# Altium PCB DRS4-PCB.PcbDoc (part 2 of 15) (continued)
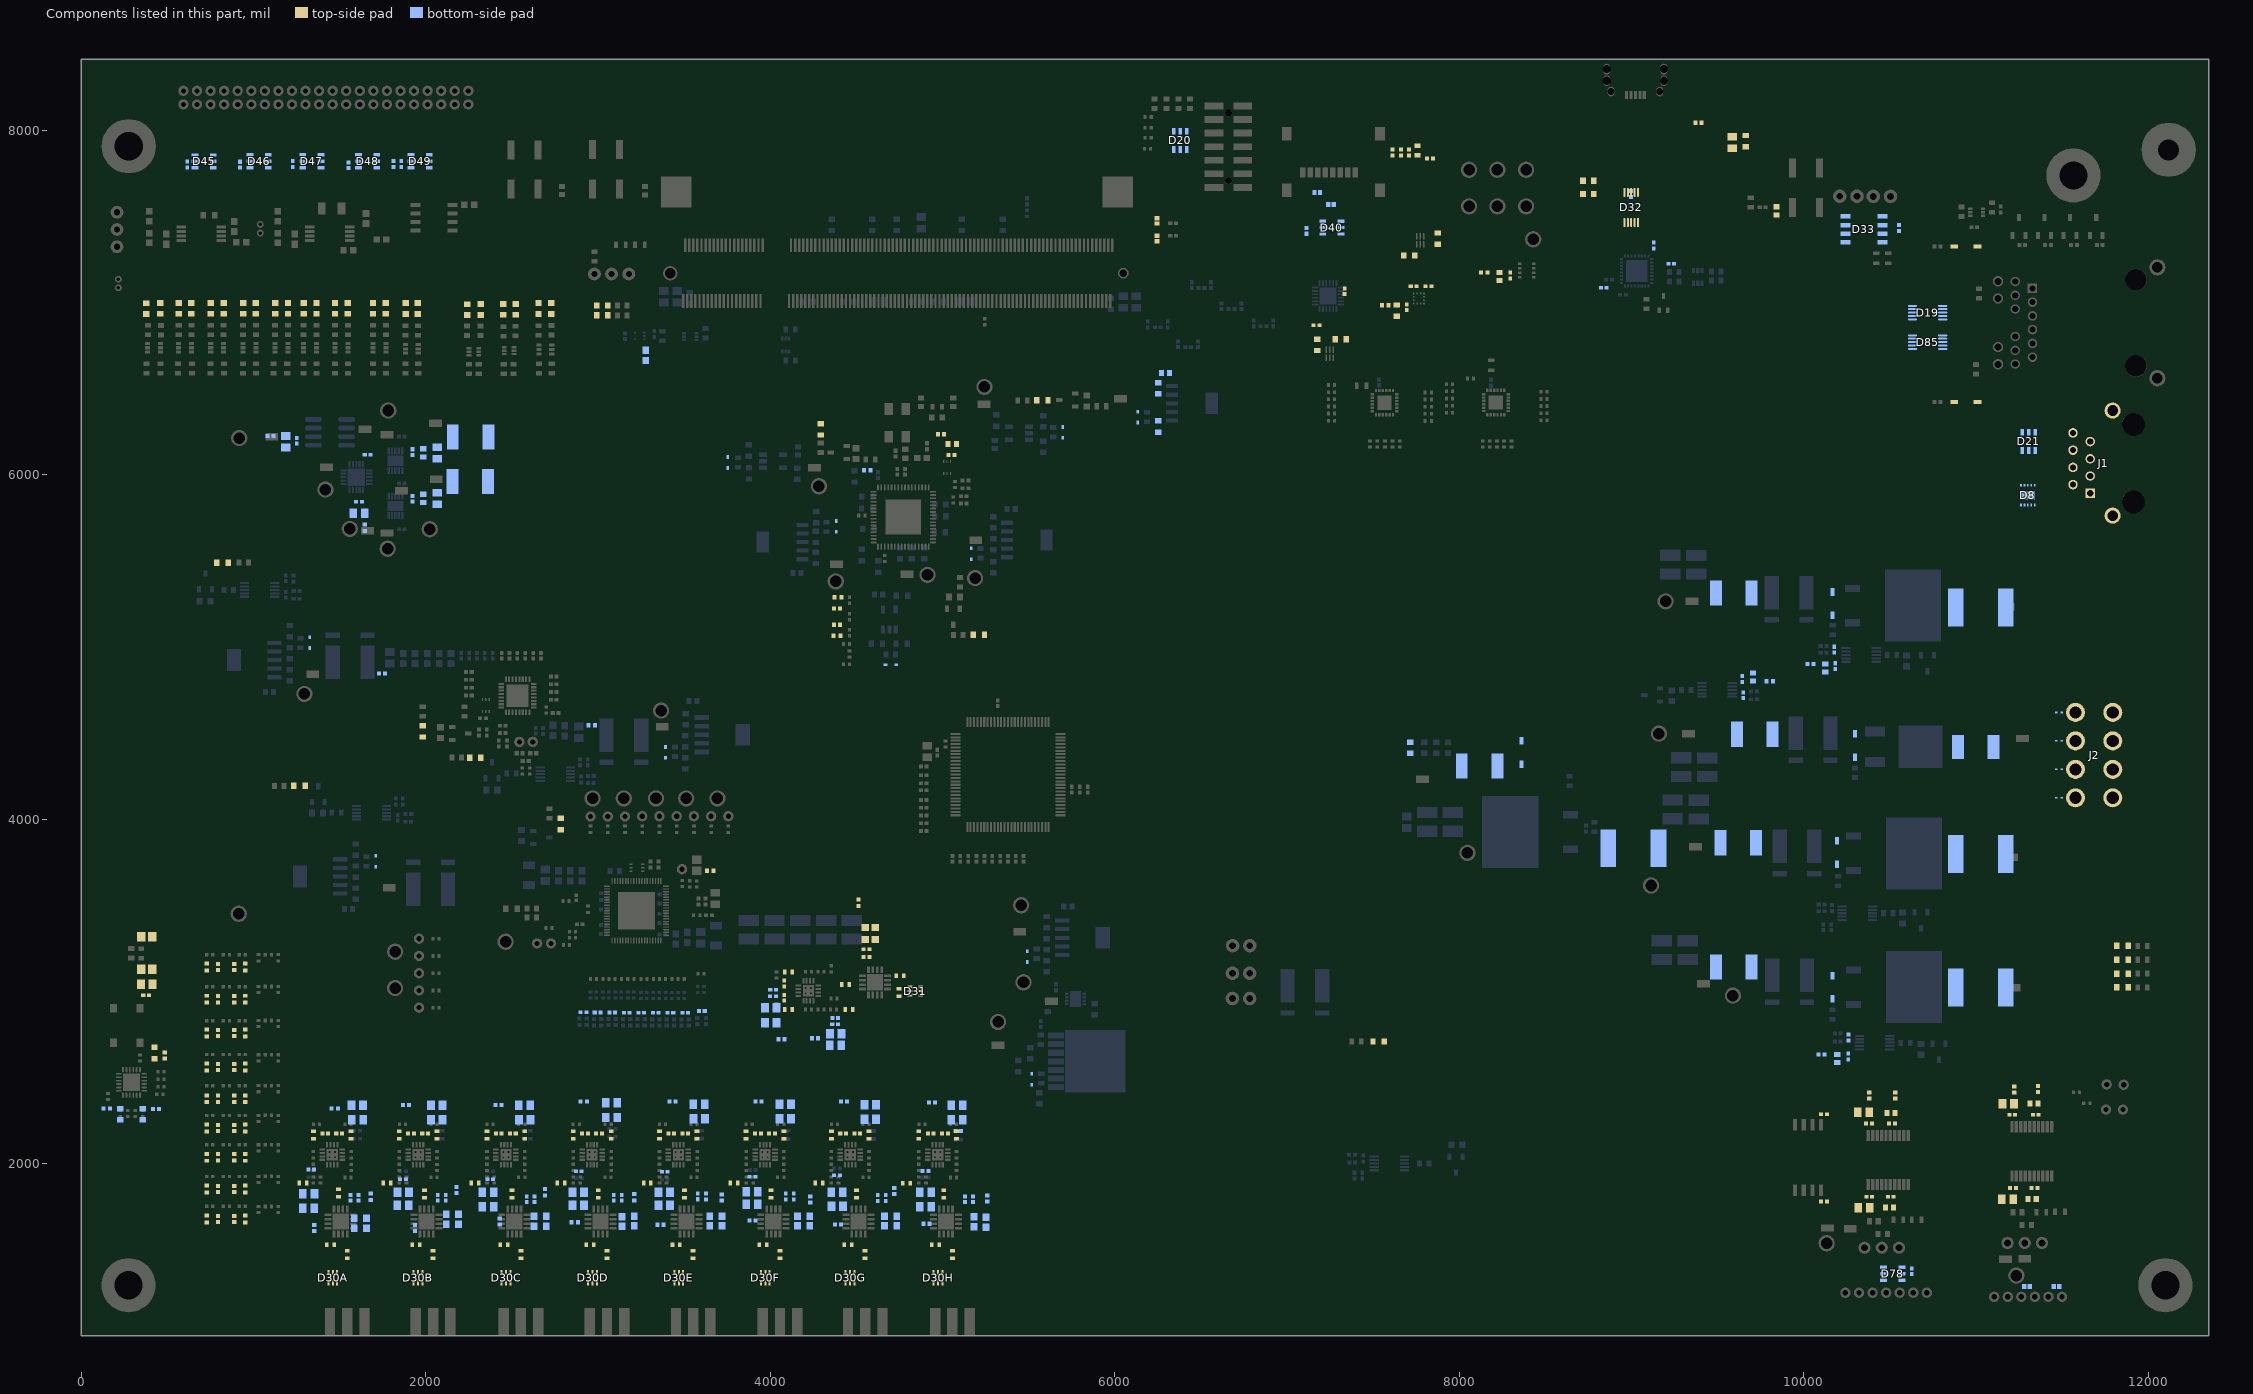
[diagram p12: the components of this part, seen from the top]
## Components (designator, comment, footprint, x,y, rotation, side; value= is the part's Value field where it differs from the comment) (continued)
C232 "Cap_TDK_C1608X5R1A106M080AC_220nF" Cap_TDK_C1608X5R1A106M080AC_220nF 4455.08,2894.77 r180 top
C233 "Cap_TDK_C1608X5R1A106M080AC_220nF" Cap_TDK_C1608X5R1A106M080AC_220nF 4752.25,3091.14 r0 top
C234 "Cap_TDK_C1608X5R1A106M080AC_220nF" Cap_TDK_C1608X5R1A106M080AC_220nF 4745.8,2992.71 r270 top
C235 "Cap_TDK_C1608X5R1A106M080AC_220nF" Cap_TDK_C1608X5R1A106M080AC_220nF 4434.76,3040.78 r0 top
C236 "Cap_TDK_C1608X5R1A106M080AC_220nF" Cap_TDK_C1608X5R1A106M080AC_220nF 4104.88,2894.75 r0 top
C237 "Cap_TDK_C1608X5R1A106M080AC_220nF" Cap_TDK_C1608X5R1A106M080AC_220nF 4104.88,3113.85 r0 top
C239 "Cap_Taiyo_Yuden_TMK105B7104KV-FR_100nF" Cap_Taiyo_Yuden_TMK105B7104KV-FR_100nF#2 3602.03,2886.03 r0 bottom
C240 "Cap_Taiyo_Yuden_TMK105B7104KV-FR_100nF" Cap_Taiyo_Yuden_TMK105B7104KV-FR_100nF#2 4557.53,3199.97 r180 top
C241 "Cap_Wurth_Electronics_885012206075_470nF" Cap_Wurth_Electronics_885012206075_470nF 4579.59,3302.34 r0 top
C242 "Cap_Taiyo_Yuden_TMK105B7104KV-FR_100nF" Cap_Taiyo_Yuden_TMK105B7104KV-FR_100nF#2 4557.82,3245.25 r180 top
C243 "Cap_Wurth_Electronics_885012206075_470nF" Cap_Wurth_Electronics_885012206075_470nF 4579.59,3371.23 r0 top
C245 "Cap_TDK_CGA2B2C0G2A151J050BE_150pF" Cap_TDK_CGA2B2C0G2A151J050BE_150pF 4391.54,5288.38 r0 top
C246 "Cap_Murata_GCM1555C1H271FA16D_270pF" Cap_Murata_GCM1555C1H271FA16D_270pF 4386.29,5223.53 r0 top
C247 "Cap_Murata_GCM1555C1H271FA16D_270pF" Cap_Murata_GCM1555C1H271FA16D_270pF 4386.29,5129.13 r0 top
C248 "Cap_TDK_CGA2B2C0G2A151J050BE_150pF" Cap_TDK_CGA2B2C0G2A151J050BE_150pF 4386.29,5064.64 r0 top
C249 "Cap_Taiyo_Yuden_TMK105B7104KV-FR_100nF" Cap_Taiyo_Yuden_TMK105B7104KV-FR_100nF#2 8837.71,7085.84 r0 bottom
C250 "Cap_Taiyo_Yuden_TMK105B7104KV-FR_100nF" Cap_Taiyo_Yuden_TMK105B7104KV-FR_100nF#2 8996.78,7629.62 r90 bottom
C251 "Cap_Taiyo_Yuden_TMK105B7104KV-FR_100nF" Cap_Taiyo_Yuden_TMK105B7104KV-FR_100nF#2 9127.53,7330.88 r270 bottom
C252 "Cap_Taiyo_Yuden_TMK105B7104KV-FR_100nF" Cap_Taiyo_Yuden_TMK105B7104KV-FR_100nF#2 10551.56,7432.5 r90 bottom
C253 "Cap_Kemet_C0603C103J5RACTU_eec" Kemet_C0603_0 9841.12,7531.76 r270 top value=10nF
C254 "Cap_Murata_ GRM21BC71E106ME11L_10uF" "Cap_Murata_ GRM21BC71E106ME11L_10uF" 9583.17,7928.1 r270 top
C255 "Cap_Murata_ZRB18AR6YA475ME05L_4.7uF" Cap_Murata_ZRB18AR6YA475ME05L_4.7uF 9662.08,7936.76 r90 top
C256 "Cap_Taiyo_Yuden_TMK105B7104KV-FR_100nF" Cap_Taiyo_Yuden_TMK105B7104KV-FR_100nF#2 9230.26,7225.04 r180 bottom
C257 "Cap_Taiyo_Yuden_TMK105B7104KV-FR_100nF" Cap_Taiyo_Yuden_TMK105B7104KV-FR_100nF#2 10259.31,2732.5 r270 bottom
C258 "Cap_Taiyo_Yuden_TMK105B7104KV-FR_100nF" Cap_Taiyo_Yuden_TMK105B7104KV-FR_100nF#2 10175.89,4984.45 r270 bottom
C259 "Cap_Taiyo_Yuden_TMK105B7104KV-FR_100nF" Cap_Taiyo_Yuden_TMK105B7104KV-FR_100nF#2 9647.54,4719.49 r90 bottom
C260 "Cap_Taiyo_Yuden_TMK105B7104KV-FR_100nF" Cap_Taiyo_Yuden_TMK105B7104KV-FR_100nF#2 10257.67,2622.22 r90 bottom
C261 "Cap_Kemet_C0603C103J5RACTU_eec" Kemet_C0603_0 10193.62,2611.22 r270 bottom value=10nF
C262 "Cap_Taiyo_Yuden_TMK105B7104KV-FR_100nF" Cap_Taiyo_Yuden_TMK105B7104KV-FR_100nF#2 9641.64,4813.57 r270 bottom
C263 "Cap_Taiyo_Yuden_TMK105B7104KV-FR_100nF" Cap_Taiyo_Yuden_TMK105B7104KV-FR_100nF#2 10182.28,4888.68 r90 bottom
C264 "Cap_Kemet_C0603C103J5RACTU_eec" Kemet_C0603_0 10123.92,4877.85 r270 bottom value=10nF
C265 "Cap_Kemet_C0603C103J5RACTU_eec" Kemet_C0603_0 9703.6,4824.82 r90 bottom value=10nF
C266 "Cap_Murata_GCJ188R71E105KA01J_1uF" Cap_Murata_GCJ188R71E105KA01J_1uF 7637.33,6952.86 r90 top
C267 "Cap_Taiyo_Yuden_TMK105B7104KV-FR_100nF" Cap_Taiyo_Yuden_TMK105B7104KV-FR_100nF#2 7694.42,6971.76 r270 top
C268 "Cap_Taiyo_Yuden_TMK105B7104KV-FR_100nF" Cap_Taiyo_Yuden_TMK105B7104KV-FR_100nF#2 7821.05,7093.82 r0 top
C269 "Cap_Kemet_C0603C103J5RACTU_eec" Kemet_C0603_0 8232.7,7149.93 r270 top value=10nF
C270 "Cap_Taiyo_Yuden_TMK105B7104KV-FR_100nF" Cap_Taiyo_Yuden_TMK105B7104KV-FR_100nF#2 8295.7,7156.62 r270 top
C271 "Cap_Taiyo_Yuden_TMK105B7104KV-FR_100nF" Cap_Taiyo_Yuden_TMK105B7104KV-FR_100nF#2 5051.24,6114.85 r180 top
C272 "Cap_Kemet_C0603C103J5RACTU_eec" Kemet_C0603_0 5055.7,6178.05 r0 top value=10nF
C273 "Cap_Taiyo_Yuden_TMK105B7104KV-FR_100nF" Cap_Taiyo_Yuden_TMK105B7104KV-FR_100nF#2 7734.43,7093.81 r0 top
C274 "Cap_Taiyo_Yuden_TMK105B7104KV-FR_100nF" Cap_Taiyo_Yuden_TMK105B7104KV-FR_100nF#2 7169.82,6867 r180 top
C275 "Cap_Taiyo_Yuden_TMK105B7104KV-FR_100nF" Cap_Taiyo_Yuden_TMK105B7104KV-FR_100nF#2 7333.57,7064.62 r270 top
C276 "Cap_Taiyo_Yuden_TMK105B7104KV-FR_100nF" Cap_Taiyo_Yuden_TMK105B7104KV-FR_100nF#2 7112.13,7415.67 r90 bottom
C277 "Cap_Murata_GCJ188R71E105KA01J_1uF" Cap_Murata_GCJ188R71E105KA01J_1uF 7873.06,7370.55 r270 top
C282 "Cap_Taiyo_Yuden_TMK105B7104KV-FR_100nF" Cap_Taiyo_Yuden_TMK105B7104KV-FR_100nF#2 7706.71,7870.84 r270 top
C283 "Cap_Taiyo_Yuden_TMK105B7104KV-FR_100nF" Cap_Taiyo_Yuden_TMK105B7104KV-FR_100nF#2 7661.42,7870.84 r270 top
C284 "Cap_Taiyo_Yuden_TMK105B7104KV-FR_100nF" Cap_Taiyo_Yuden_TMK105B7104KV-FR_100nF#2 7611.43,7870.84 r270 top
C285 "4.7nF 10V 0603" CAPC0603(1608)100_L 7755.93,7881.47 r90 top value=4.7nF
C286 "Cap_Murata_GCJ188R71E105KA01J_1uF" Cap_Murata_GCJ188R71E105KA01J_1uF 356.95,2287.28 r270 bottom
C287 "Cap_Murata_GCJ188R71E105KA01J_1uF" Cap_Murata_GCJ188R71E105KA01J_1uF 224.39,2287.28 r270 bottom
C288 "Cap_Murata_GCJ188R71E105KA01J_1uF" Cap_Murata_GCJ188R71E105KA01J_1uF 424.34,2642.75 r90 top
C289 "Cap_Murata_ GRM21BC71E106ME11L_10uF" "Cap_Murata_ GRM21BC71E106ME11L_10uF" 380.1,3042.17 r180 top
C290 "Cap_Taiyo_Yuden_TMK105B7104KV-FR_100nF" Cap_Taiyo_Yuden_TMK105B7104KV-FR_100nF#2 376.05,2977.2 r0 top
C291 "Cap_Murata_GRT21BR61E226ME13L_22uF" Cap_Murata_GRT21BR61E226ME13L_22uF 379.53,3129.13 r180 top
C292 "Cap_Murata_GRT21BR61E226ME13L_22uF" Cap_Murata_GRT21BR61E226ME13L_22uF 380.1,3316.66 r180 top
C293 "Cap_TDK_CGA2B2C0G2A151J050BE_150pF" Cap_TDK_CGA2B2C0G2A151J050BE_150pF 727.93,1679.37 r90 top
C294 "Cap_Murata_GCM1555C1H271FA16D_270pF" Cap_Murata_GCM1555C1H271FA16D_270pF 792.86,1679.37 r90 top
C295 "Cap_Murata_GCM1555C1H271FA16D_270pF" Cap_Murata_GCM1555C1H271FA16D_270pF 887.26,1679.37 r90 top
C296 "Cap_TDK_CGA2B2C0G2A151J050BE_150pF" Cap_TDK_CGA2B2C0G2A151J050BE_150pF 951.75,1679.37 r90 top
C297 "Cap_TDK_CGA2B2C0G2A151J050BE_150pF" Cap_TDK_CGA2B2C0G2A151J050BE_150pF 728.01,2561.27 r90 top
C298 "Cap_Murata_GCM1555C1H271FA16D_270pF" Cap_Murata_GCM1555C1H271FA16D_270pF 792.85,2561.27 r90 top
C299 "Cap_Murata_GCM1555C1H271FA16D_270pF" Cap_Murata_GCM1555C1H271FA16D_270pF 887.26,2561.27 r90 top
C300 "Cap_TDK_CGA2B2C0G2A151J050BE_150pF" Cap_TDK_CGA2B2C0G2A151J050BE_150pF 951.75,2561.27 r90 top
C301 "Cap_TDK_CGA2B2C0G2A151J050BE_150pF" Cap_TDK_CGA2B2C0G2A151J050BE_150pF 728.01,1852.61 r90 top
C302 "Cap_Murata_GCM1555C1H271FA16D_270pF" Cap_Murata_GCM1555C1H271FA16D_270pF 792.85,1852.61 r90 top
C303 "Cap_Murata_GCM1555C1H271FA16D_270pF" Cap_Murata_GCM1555C1H271FA16D_270pF 887.26,1852.61 r90 top
C304 "Cap_TDK_CGA2B2C0G2A151J050BE_150pF" Cap_TDK_CGA2B2C0G2A151J050BE_150pF 951.75,1852.61 r90 top
C305 "Cap_TDK_CGA2B2C0G2A151J050BE_150pF" Cap_TDK_CGA2B2C0G2A151J050BE_150pF 728.01,2758.12 r90 top
C306 "Cap_Murata_GCM1555C1H271FA16D_270pF" Cap_Murata_GCM1555C1H271FA16D_270pF 792.85,2758.12 r90 top
C307 "Cap_Murata_GCM1555C1H271FA16D_270pF" Cap_Murata_GCM1555C1H271FA16D_270pF 887.26,2758.12 r90 top
C308 "Cap_TDK_CGA2B2C0G2A151J050BE_150pF" Cap_TDK_CGA2B2C0G2A151J050BE_150pF 951.75,2758.12 r90 top
C309 "Cap_TDK_CGA2B2C0G2A151J050BE_150pF" Cap_TDK_CGA2B2C0G2A151J050BE_150pF 728.01,2037.14 r90 top
C310 "Cap_Murata_GCM1555C1H271FA16D_270pF" Cap_Murata_GCM1555C1H271FA16D_270pF 792.85,2037.14 r90 top
C311 "Cap_Murata_GCM1555C1H271FA16D_270pF" Cap_Murata_GCM1555C1H271FA16D_270pF 887.26,2037.14 r90 top
C312 "Cap_TDK_CGA2B2C0G2A151J050BE_150pF" Cap_TDK_CGA2B2C0G2A151J050BE_150pF 951.75,2037.14 r90 top
C313 "Cap_TDK_CGA2B2C0G2A151J050BE_150pF" Cap_TDK_CGA2B2C0G2A151J050BE_150pF 728.01,2954.98 r90 top
C314 "Cap_Murata_GCM1555C1H271FA16D_270pF" Cap_Murata_GCM1555C1H271FA16D_270pF 792.85,2954.98 r90 top
C315 "Cap_Murata_GCM1555C1H271FA16D_270pF" Cap_Murata_GCM1555C1H271FA16D_270pF 887.26,2954.98 r90 top
C316 "Cap_TDK_CGA2B2C0G2A151J050BE_150pF" Cap_TDK_CGA2B2C0G2A151J050BE_150pF 951.75,2954.98 r90 top
C317 "Cap_TDK_CGA2B2C0G2A151J050BE_150pF" Cap_TDK_CGA2B2C0G2A151J050BE_150pF 727.98,2206.92 r90 top
C318 "Cap_Murata_GCM1555C1H271FA16D_270pF" Cap_Murata_GCM1555C1H271FA16D_270pF 792.85,2206.92 r90 top
C319 "Cap_Murata_GCM1555C1H271FA16D_270pF" Cap_Murata_GCM1555C1H271FA16D_270pF 887.26,2206.92 r90 top
C320 "Cap_TDK_CGA2B2C0G2A151J050BE_150pF" Cap_TDK_CGA2B2C0G2A151J050BE_150pF 951.75,2206.92 r90 top
C321 "Cap_TDK_CGA2B2C0G2A151J050BE_150pF" Cap_TDK_CGA2B2C0G2A151J050BE_150pF 728.01,3141.16 r90 top
C322 "Cap_Murata_GCM1555C1H271FA16D_270pF" Cap_Murata_GCM1555C1H271FA16D_270pF 792.85,3141.16 r90 top
C323 "Cap_Murata_GCM1555C1H271FA16D_270pF" Cap_Murata_GCM1555C1H271FA16D_270pF 887.26,3141.16 r90 top
C324 "Cap_TDK_CGA2B2C0G2A151J050BE_150pF" Cap_TDK_CGA2B2C0G2A151J050BE_150pF 951.75,3141.16 r90 top
C325 "Cap_TDK_CGA2B2C0G2A151J050BE_150pF" Cap_TDK_CGA2B2C0G2A151J050BE_150pF 728.01,2377.14 r90 top
C326 "Cap_Murata_GCM1555C1H271FA16D_270pF" Cap_Murata_GCM1555C1H271FA16D_270pF 792.85,2377.14 r90 top
C327 "Cap_Murata_GCM1555C1H271FA16D_270pF" Cap_Murata_GCM1555C1H271FA16D_270pF 887.26,2377.14 r90 top
C328 "Cap_TDK_CGA2B2C0G2A151J050BE_150pF" Cap_TDK_CGA2B2C0G2A151J050BE_150pF 951.75,2377.14 r90 top
C329 "Cap_Taiyo_Yuden_TMK105B7104KV-FR_100nF" Cap_Taiyo_Yuden_TMK105B7104KV-FR_100nF#2 613.86,7800.44 r90 bottom
C330 "Cap_Taiyo_Yuden_TMK105B7104KV-FR_100nF" Cap_Taiyo_Yuden_TMK105B7104KV-FR_100nF#2 921.07,7799.98 r90 bottom
C331 "Cap_Taiyo_Yuden_TMK105B7104KV-FR_100nF" Cap_Taiyo_Yuden_TMK105B7104KV-FR_100nF#2 1226.73,7803.66 r90 bottom
C332 "Cap_Taiyo_Yuden_TMK105B7104KV-FR_100nF" Cap_Taiyo_Yuden_TMK105B7104KV-FR_100nF#2 1550.36,7796.79 r90 bottom
C333 "Cap_Taiyo_Yuden_TMK105B7104KV-FR_100nF" Cap_Taiyo_Yuden_TMK105B7104KV-FR_100nF#2 1857.68,7803.27 r90 bottom
C334 "Cap_Taiyo_Yuden_TMK105B7104KV-FR_100nF" Cap_Taiyo_Yuden_TMK105B7104KV-FR_100nF#2 1812.38,7803.66 r90 bottom
C335 "Cap_Murata_ GRM21BC71E106ME11L_10uF" "Cap_Murata_ GRM21BC71E106ME11L_10uF" 1611.46,5776.3 r180 bottom
C336 "Cap_Taiyo_Yuden_TMK105B7104KV-FR_100nF" Cap_Taiyo_Yuden_TMK105B7104KV-FR_100nF#2 1611.58,5843.47 r0 bottom
C337 "Cap_Murata_ GRM21BC71E106ME11L_10uF" "Cap_Murata_ GRM21BC71E106ME11L_10uF" 1186.45,6190.61 r270 bottom
C338 "Cap_Taiyo_Yuden_TMK105B7104KV-FR_100nF" Cap_Taiyo_Yuden_TMK105B7104KV-FR_100nF#2 1250.38,6197.15 r90 bottom
C339 "Cap_Taiyo_Yuden_TMK105B7104KV-FR_100nF" Cap_Taiyo_Yuden_TMK105B7104KV-FR_100nF#2 1661.94,6116.55 r180 bottom
C340 "Cap_Murata_ GRM21BC71E106ME11L_10uF" "Cap_Murata_ GRM21BC71E106ME11L_10uF" 2067.29,5861.81 r270 bottom
C341 "Cap_Kemet_C0603C103J5RACTU_eec" Kemet_C0603_0 1984.61,5862.77 r270 bottom value=10nF
C342 "Cap_Taiyo_Yuden_TMK105B7104KV-FR_100nF" Cap_Taiyo_Yuden_TMK105B7104KV-FR_100nF#2 1921.61,5859.93 r90 bottom
C343 "Cap_Murata_ GRM21BC71E106ME11L_10uF" "Cap_Murata_ GRM21BC71E106ME11L_10uF" 2067.29,6126.21 r270 bottom
C344 "Cap_Kemet_C0603C103J5RACTU_eec" Kemet_C0603_0 1984.61,6127.09 r270 bottom value=10nF
C345 "Cap_Taiyo_Yuden_TMK105B7104KV-FR_100nF" Cap_Taiyo_Yuden_TMK105B7104KV-FR_100nF#2 1921.61,6130.87 r90 bottom
C346 "Cap_Taiyo_Yuden_TMK105B7104KV-FR_100nF" Cap_Taiyo_Yuden_TMK105B7104KV-FR_100nF#2 10116.87,2287.24 r180 top
C347 "Cap_Taiyo_Yuden_TMK105B7104KV-FR_100nF" Cap_Taiyo_Yuden_TMK105B7104KV-FR_100nF#2 10626.74,1376.07 r270 bottom
C348 "Cap_Taiyo_Yuden_TMK105B7104KV-FR_100nF" Cap_Taiyo_Yuden_TMK105B7104KV-FR_100nF#2 10116.77,1781.14 r0 top
C349 "Cap_Murata_ GRM21BC71E106ME11L_10uF" "Cap_Murata_ GRM21BC71E106ME11L_10uF" 10348.54,1743.03 r180 top
C350 "Cap_Taiyo_Yuden_TMK105B7104KV-FR_100nF" Cap_Taiyo_Yuden_TMK105B7104KV-FR_100nF#2 10378.07,2233.98 r0 top
C351 "Cap_Murata_ GRM21BC71E106ME11L_10uF" "Cap_Murata_ GRM21BC71E106ME11L_10uF" 10345.79,2298.95 r180 top
C352 "Cap_Taiyo_Yuden_TMK105B7104KV-FR_100nF" Cap_Taiyo_Yuden_TMK105B7104KV-FR_100nF#2 10379.06,1807.99 r0 top
C353 "Cap_Taiyo_Yuden_TMK105B7104KV-FR_100nF" Cap_Taiyo_Yuden_TMK105B7104KV-FR_100nF#2 11209.6,2283.99 r0 top
C354 "Cap_Murata_ GRM21BC71E106ME11L_10uF" "Cap_Murata_ GRM21BC71E106ME11L_10uF" 11186.63,2346.79 r180 top
C355 "Cap_Taiyo_Yuden_TMK105B7104KV-FR_100nF" Cap_Taiyo_Yuden_TMK105B7104KV-FR_100nF#2 11213.9,1858.77 r0 top
C356 "Cap_Murata_ GRM21BC71E106ME11L_10uF" "Cap_Murata_ GRM21BC71E106ME11L_10uF" 11182.01,1793.8 r180 top
C357 "Cap_Taiyo_Yuden_TMK105B7104KV-FR_100nF" Cap_Taiyo_Yuden_TMK105B7104KV-FR_100nF#2 10511.93,2233.15 r0 top
C358 "Cap_Kemet_C0603C103J5RACTU_eec" Kemet_C0603_0 10506.25,2295.47 r180 top value=10nF
C359 "Cap_Taiyo_Yuden_TMK105B7104KV-FR_100nF" Cap_Taiyo_Yuden_TMK105B7104KV-FR_100nF#2 10504.45,1808.77 r0 top
C360 "Cap_Kemet_C0603C103J5RACTU_eec" Kemet_C0603_0 10496.57,1745.39 r180 top value=10nF
C361 "Cap_Taiyo_Yuden_TMK105B7104KV-FR_100nF" Cap_Taiyo_Yuden_TMK105B7104KV-FR_100nF#2 11345.79,2283.99 r0 top
C362 "Cap_Kemet_C0603C103J5RACTU_eec" Kemet_C0603_0 11335.94,2350.12 r180 top value=10nF
C363 "Cap_Taiyo_Yuden_TMK105B7104KV-FR_100nF" Cap_Taiyo_Yuden_TMK105B7104KV-FR_100nF#2 11338.7,1858.77 r0 top
C364 "Cap_Kemet_C0603C103J5RACTU_eec" Kemet_C0603_0 11325.32,1795.77 r180 top value=10nF
C368 "Cap_Murata_ZRB18AR6YA475ME05L_4.7uF" Cap_Murata_ZRB18AR6YA475ME05L_4.7uF 7714.59,4415.06 r270 bottom
C369 "Cap_Murata_ZRB18AR6YA475ME05L_4.7uF" Cap_Murata_ZRB18AR6YA475ME05L_4.7uF 6252.78,6279.58 r90 bottom
C370 "Cap_Murata_ZRB18AR6YA475ME05L_4.7uF" Cap_Murata_ZRB18AR6YA475ME05L_4.7uF 6250.79,6502.11 r270 bottom
C371 "Cap_Kemet_C0603C103J5RACTU_eec" Kemet_C0603_0 6294.37,6591.42 r180 bottom value=10nF
C372 "Cap_Murata_GCJ188R71E105KA01J_1uF" Cap_Murata_GCJ188R71E105KA01J_1uF 7173.84,6753.53 r270 top
C373 "Cap_Murata_GCJ188R71E105KA01J_1uF" Cap_Murata_GCJ188R71E105KA01J_1uF 7709.39,7272.62 r0 top
C374 "Cap_Murata_GCJ188R71E105KA01J_1uF" Cap_Murata_GCJ188R71E105KA01J_1uF 7311.52,6787.12 r180 top
D1 "ESD9B5.0ST5G" ONSC-SOD-923-2-514AB-01_V 11480.64,4123.95 r180 bottom
D2 "ESD9B5.0ST5G" ONSC-SOD-923-2-514AB-01_V 11480.64,4289.31 r180 bottom
D3 "ESD9B5.0ST5G" ONSC-SOD-923-2-514AB-01_V 11480.64,4454.66 r180 bottom
D4 "ESD9B5.0ST5G" ONSC-SOD-923-2-514AB-01_V 11480.64,4620.02 r180 bottom
D5 "Diode_ON_Semiconductor_1N4148WT_300mA" Diode_ON_Semiconductor_1N4148WT_300mA 1709.58,3755.68 r90 bottom
D6 "Diode_ON_Semiconductor_1N4148WT_300mA" Diode_ON_Semiconductor_1N4148WT_300mA 5491.09,3201.96 r270 bottom
D7 "Diode_ON_Semiconductor_1N4148WT_300mA" Diode_ON_Semiconductor_1N4148WT_300mA 5517.17,2490.29 r270 bottom
D8 "ESD_LittleFuse_SP3304NUTG_3V3" ESD_LittleFuse_SP3304NUTG_3V3 11300.09,5880.89 r90 bottom
D9 "Diode_ON_Semiconductor_1N4148WT_300mA" Diode_ON_Semiconductor_1N4148WT_300mA 3390.76,4387.48 r270 bottom
D10 "Diode_ON_Semiconductor_1N4148WT_300mA" Diode_ON_Semiconductor_1N4148WT_300mA 1326.15,5025.07 r90 bottom
D11 "Diode_ON_Semiconductor_1N4148WT_300mA" Diode_ON_Semiconductor_1N4148WT_300mA 4381.83,5699.6 r90 bottom
D12 "Diode_ON_Semiconductor_1N4148WT_300mA" Diode_ON_Semiconductor_1N4148WT_300mA 5166.03,5541.08 r270 bottom
D13 "Diode_ON_Semiconductor_1N4148WT_300mA" Diode_ON_Semiconductor_1N4148WT_300mA 4699.75,4896.38 r180 bottom
D14 "Diode_ON_Semiconductor_1N4148WT_300mA" Diode_ON_Semiconductor_1N4148WT_300mA 3752.7,6070.92 r90 bottom
D15 "Diode_ON_Semiconductor_1N4148WT_300mA" Diode_ON_Semiconductor_1N4148WT_300mA 5696.41,6246.01 r270 bottom
D16 "Led_Lite-On_LTST-C193KGKT-5A_Green" Led_Lite-On_LTST-C193KGKT-5A_Green 3024.29,6982.13 r180 top
D17 "LTST-C193KRKT-5A" Led_Lite-On_LTST-C193KGKT-5A_Red 11849.49,3103.67 r180 top
D18 "Led_Lite-On_LTST-C193KGKT-5A_Green" Led_Lite-On_LTST-C193KGKT-5A_Green 3024.2,6924.49 r180 top
D19 "Diode_SP3003-04ATG_LVDS_ESD" Diode_SP3003-04ATG_LVDS_ESD 10718.19,6941.14 r180 bottom
D20 "PRTR5V0U4D,125" PRTR5V0U4D,125 6378.83,7940.26 r90 bottom
D21 "PRTR5V0U4D,125" PRTR5V0U4D,125 11304.96,6193.77 r90 bottom
D22 "LTST-C193KRKT-5A" Led_Lite-On_LTST-C193KGKT-5A_Red 4292.13,6262.75 r270 top
D23 "LTST-C193KRKT-5A" Led_Lite-On_LTST-C193KGKT-5A_Red 5210.33,5069.96 r180 top
D24 "LTST-C193KRKT-5A" Led_Lite-On_LTST-C193KGKT-5A_Red 1266.38,4193.58 r0 top
D25 "LTST-C193KRKT-5A" Led_Lite-On_LTST-C193KGKT-5A_Red 2783.7,3972.14 r270 top
D26 "LTST-C193KRKT-5A" Led_Lite-On_LTST-C193KGKT-5A_Red 7530.85,2709.43 r0 top
D27 "LTST-C193KRKT-5A" Led_Lite-On_LTST-C193KGKT-5A_Red 819.25,5489.7 r180 top
D28 "LTST-C193KRKT-5A" Led_Lite-On_LTST-C193KGKT-5A_Red 1981.58,4509.52 r270 top
D29 "LTST-C193KRKT-5A" Led_Lite-On_LTST-C193KGKT-5A_Red 2286.48,4357.73 r0 top
D30A "BAV99S" INF-SOT363_V 1459.65,1338.58 r90 top (schematic designator D30)
D30B "BAV99S" INF-SOT363_V 1953.46,1338.58 r90 top (schematic designator D30)
D30C "BAV99S" INF-SOT363_V 2465.43,1338.58 r90 top (schematic designator D30)
D30D "BAV99S" INF-SOT363_V 2967.54,1338.58 r90 top (schematic designator D30)
D30E "BAV99S" INF-SOT363_V 3468.27,1338.58 r90 top (schematic designator D30)
D30F "BAV99S" INF-SOT363_V 3970.52,1338.58 r90 top (schematic designator D30)
D30G "BAV99S" INF-SOT363_V 4462.64,1338.58 r90 top (schematic designator D30)
D30H "BAV99S" INF-SOT363_V 4973.62,1338.58 r90 top (schematic designator D30)
D31 "BAV99S" INF-SOT363_V 4841.34,3001.81 r180 top
D32 "Diode_SP3003-04ATG_LVDS_ESD" Diode_SP3003-04ATG_LVDS_ESD 8997.43,7551.44 r270 top
D33 "ESD_Bourns_ CDNBS08-SRDA05-4_5V" "ESD_Bourns_ CDNBS08-SRDA05-4_5V" 10348.32,7424.23 r180 bottom
D34 "Led_Lite-On_LTST-C193TBKT-5A_Blue" Led_Lite-On_LTST-C193TBKT-5A_Blue 8749,7707.18 r180 top
D35 "Led_Lite-On_LTST-C193TBKT-5A_Blue" Led_Lite-On_LTST-C193TBKT-5A_Blue 8749,7629.53 r180 top
D36 "LTST-C193KRKT-5A" Led_Lite-On_LTST-C193KGKT-5A_Red 11849.49,3023.3 r180 top
D37 "LTST-C193KRKT-5A" Led_Lite-On_LTST-C193KGKT-5A_Red 11849.49,3264.4 r180 top
D38 "LTST-C193KRKT-5A" Led_Lite-On_LTST-C193KGKT-5A_Red 11849.49,3184.03 r180 top
D39 "LTST-C193KRKT-5A" Led_Lite-On_LTST-C193KGKT-5A_Red 5579.15,6431.18 r0 top
D40 "PRTR5V0U4D,125" PRTR5V0U4D,125 7259.29,7435.04 r180 bottom
D41 "5V_ESD_Littlefuse_SP1212-01ETG_30kV" 5V_ESD_Littlefuse_SP1212-01ETG_30kV 7174.68,7638.24 r180 bottom
D42 "5V_ESD_Littlefuse_SP1212-01ETG_30kV" 5V_ESD_Littlefuse_SP1212-01ETG_30kV 7255.28,7568.27 r180 bottom
D43 "5V_ESD_Littlefuse_SP1212-01ETG_30kV" 5V_ESD_Littlefuse_SP1212-01ETG_30kV 6244.01,7370.97 r270 top
D44 "5V_ESD_Littlefuse_SP1212-01ETG_30kV" 5V_ESD_Littlefuse_SP1212-01ETG_30kV 6244.01,7474.01 r90 top
D45 "PRTR5V0U4D,125" PRTR5V0U4D,125 712.66,7818.86 r180 bottom
D46 "PRTR5V0U4D,125" PRTR5V0U4D,125 1031.36,7819.01 r180 bottom
D47 "PRTR5V0U4D,125" PRTR5V0U4D,125 1338.01,7819.12 r180 bottom
D48 "PRTR5V0U4D,125" PRTR5V0U4D,125 1661.55,7818.94 r180 bottom
D49 "PRTR5V0U4D,125" PRTR5V0U4D,125 1966.38,7818.94 r180 bottom
D50 "Led_Lite-On_LTST-C193TBKT-5A_Blue" Led_Lite-On_LTST-C193TBKT-5A_Blue 1199.41,6965.67 r90 top
D51 "Led_Lite-On_LTST-C193TBKT-5A_Blue" Led_Lite-On_LTST-C193TBKT-5A_Blue 1124.61,6965.67 r90 top
D52 "Led_Lite-On_LTST-C193TBKT-5A_Blue" Led_Lite-On_LTST-C193TBKT-5A_Blue 1364.96,6965.67 r90 top
D53 "Led_Lite-On_LTST-C193TBKT-5A_Blue" Led_Lite-On_LTST-C193TBKT-5A_Blue 1290.16,6965.67 r90 top
D54 "Led_Lite-On_LTST-C193TBKT-5A_Blue" Led_Lite-On_LTST-C193TBKT-5A_Blue 1547.28,6965.67 r90 top
D55 "Led_Lite-On_LTST-C193TBKT-5A_Blue" Led_Lite-On_LTST-C193TBKT-5A_Blue 1472.48,6965.67 r90 top
D56 "Led_Lite-On_LTST-C193TBKT-5A_Blue" Led_Lite-On_LTST-C193TBKT-5A_Blue 1767.83,6965.67 r90 top
D57 "Led_Lite-On_LTST-C193TBKT-5A_Blue" Led_Lite-On_LTST-C193TBKT-5A_Blue 1693.03,6965.67 r90 top
D58 "Led_Lite-On_LTST-C193TBKT-5A_Blue" Led_Lite-On_LTST-C193TBKT-5A_Blue 1013.39,6965.67 r90 top
D59 "Led_Lite-On_LTST-C193TBKT-5A_Blue" Led_Lite-On_LTST-C193TBKT-5A_Blue 938.58,6965.67 r90 top
D60 "Led_Lite-On_LTST-C193TBKT-5A_Blue" Led_Lite-On_LTST-C193TBKT-5A_Blue 825.83,6965.67 r90 top
D61 "Led_Lite-On_LTST-C193TBKT-5A_Blue" Led_Lite-On_LTST-C193TBKT-5A_Blue 751.02,6965.67 r90 top
D62 "Led_Lite-On_LTST-C193TBKT-5A_Blue" Led_Lite-On_LTST-C193TBKT-5A_Blue 638.42,6965.67 r90 top
D63 "Led_Lite-On_LTST-C193TBKT-5A_Blue" Led_Lite-On_LTST-C193TBKT-5A_Blue 563.98,6965.56 r90 top
D64 "Led_Lite-On_LTST-C193TBKT-5A_Blue" Led_Lite-On_LTST-C193TBKT-5A_Blue 458.81,6965.58 r90 top
D65 "Led_Lite-On_LTST-C193TBKT-5A_Blue" Led_Lite-On_LTST-C193TBKT-5A_Blue 376.08,6964.11 r90 top
D66 "Led_Lite-On_LTST-C193TBKT-5A_Blue" Led_Lite-On_LTST-C193TBKT-5A_Blue 1953.46,6965.06 r90 top
D67 "Led_Lite-On_LTST-C193TBKT-5A_Blue" Led_Lite-On_LTST-C193TBKT-5A_Blue 1882.44,6965.06 r90 top
D68 "BZT52C4V3-7-F" SOD123 10166.57,5251.12 r270 bottom
D69 "BZT52C4V3-7-F" SOD123 10192.32,3805.64 r270 bottom
D70 "Led_Lite-On_LTST-C193TBKT-5A_Blue" Led_Lite-On_LTST-C193TBKT-5A_Blue 2728.82,6965.08 r90 top
D71 "Led_Lite-On_LTST-C193TBKT-5A_Blue" Led_Lite-On_LTST-C193TBKT-5A_Blue 2653.82,6965.08 r90 top
D72 "Led_Lite-On_LTST-C193TBKT-5A_Blue" Led_Lite-On_LTST-C193TBKT-5A_Blue 2449.98,6960.16 r270 top
D73 "Led_Lite-On_LTST-C193TBKT-5A_Blue" Led_Lite-On_LTST-C193TBKT-5A_Blue 2521,6959.8 r270 top
D74 "Led_Lite-On_LTST-C193TBKT-5A_Blue" Led_Lite-On_LTST-C193TBKT-5A_Blue 2317.87,6958.82 r270 top
D75 "Led_Lite-On_LTST-C193TBKT-5A_Blue" Led_Lite-On_LTST-C193TBKT-5A_Blue 2239.31,6958.55 r270 top
D76 "5V_ESD_Littlefuse_SP1212-01ETG_30kV" 5V_ESD_Littlefuse_SP1212-01ETG_30kV 11466,1288.07 r0 bottom
D77 "5V_ESD_Littlefuse_SP1212-01ETG_30kV" 5V_ESD_Littlefuse_SP1212-01ETG_30kV 11295.39,1288.07 r180 bottom
D78 "PRTR5V0U4D,125" PRTR5V0U4D,125 10515.78,1361.03 r0 bottom
D79 "Diode_ON_Semiconductor_1N4148WT_300mA" Diode_ON_Semiconductor_1N4148WT_300mA 6132.02,6333.87 r270 bottom
D80 "BZT52C4V3-7-F" SOD123 10166.57,3024.42 r270 bottom
D81 "BZT52C4V3-7-F" SOD123 8360.24,4386.62 r90 bottom
D82 "BZT52C4V3-7-F" SOD123 10296,4426.98 r90 bottom
D83 "BZT52C4V3-7-F" SOD123 10939.92,7324.93 r0 top
D84 "BZT52C4V3-7-F" SOD123 10939.92,6421.34 r0 top
D85 "Diode_SP3003-04ATG_LVDS_ESD" Diode_SP3003-04ATG_LVDS_ESD 10718.19,6769.7 r180 bottom
F1 "3A hold, 5.2 A trip" Bel_0ZCF_MFG 11026.97,5228.03 r180 bottom
F2 "3A hold, 5.2 A trip" Bel_0ZCF_MFG 11026.97,3797.8 r180 bottom
F3 "3A hold, 5.2 A trip" Bel_0ZCF_MFG 11026.97,3023.3 r180 bottom
F4 "2A hold, 3.5 A trip" Bel_0ZCG_MFG 10996.93,4418.67 r180 bottom
F5 "3A hold, 5.2 A trip" Bel_0ZCF_MFG 9010.34,3831.31 r180 bottom
FB1 "742792731" FB_Wurth_Electronics_742792731_100Ohms 1644.92,5692.16 r90 bottom
FB2 "FBMH4532HM681-T" TAYO-FBMH4532-2_V 9593.43,5313.56 r180 bottom
FB3 "FBMH4532HM681-T" TAYO-FBMH4532-2_V 9619.5,3863.5 r180 bottom
FB4 "FBMH4532HM681-T" TAYO-FBMH4532-2_V 9591.95,3142.33 r180 bottom
FB5 "FBMH4532HM681-T" TAYO-FBMH4532-2_V 9714.5,4493.35 r180 bottom
FB6 "FBMH4532HM681-T" TAYO-FBMH4532-2_V 8116.76,4309.23 r180 bottom
FB7 "30 Ohm" Feb_MURATA_BLM15AX300SZ1D_30 4562.27,6025.78 r0 bottom
FB8 "742792731" FB_Wurth_Electronics_742792731_100Ohms 1098.07,6224.09 r0 bottom
FB9 "30 Ohm" Feb_MURATA_BLM15AX300SZ1D_30 3650.58,3700.74 r180 top
FB10 "FB_MURATA_BLM15AX102SZ1D_1k" FB_MURATA_BLM15AX102SZ1D_1k 9388.4,8043.43 r0 top
FB11 "742792731" FB_Wurth_Electronics_742792731_100Ohms 2962.56,4545.15 r180 bottom
FB12 "FB_MURATA_BLM15AX102SZ1D_1k" FB_MURATA_BLM15AX102SZ1D_1k 7828.99,7835.37 r180 top
FB13 "FBMH4532HM681-T" TAYO-FBMH4532-2_V 2256.93,5959.43 r180 bottom
FB14 "FBMH4532HM681-T" TAYO-FBMH4532-2_V 2259.63,6218.7 r180 bottom
FB16 "742792731" FB_Wurth_Electronics_742792731_100Ohms 1745.27,4846.17 r0 bottom
FB17A "742792731" FB_Wurth_Electronics_742792731_100Ohms 1470.5,2320.61 r0 bottom (schematic designator FB17)
FB17B "742792731" FB_Wurth_Electronics_742792731_100Ohms 1884.71,2340.59 r0 bottom (schematic designator FB17)
FB17C "742792731" FB_Wurth_Electronics_742792731_100Ohms 2422.21,2340.59 r0 bottom (schematic designator FB17)
FB17D "742792731" FB_Wurth_Electronics_742792731_100Ohms 2916.24,2361.61 r0 bottom (schematic designator FB17)
FB17E "742792731" FB_Wurth_Electronics_742792731_100Ohms 3431.37,2361.61 r0 bottom (schematic designator FB17)
FB17F "742792731" FB_Wurth_Electronics_742792731_100Ohms 3931.79,2361.61 r0 bottom (schematic designator FB17)
FB17G "742792731" FB_Wurth_Electronics_742792731_100Ohms 4427.02,2361.61 r0 bottom (schematic designator FB17)
FB17H "742792731" FB_Wurth_Electronics_742792731_100Ohms 4938.68,2355.78 r0 bottom (schematic designator FB17)
FB18A "742792731" FB_Wurth_Electronics_742792731_100Ohms 1351.65,1626.89 r90 bottom (schematic designator FB18)
FB18B "742792731" FB_Wurth_Electronics_742792731_100Ohms 1936.3,1626.89 r90 bottom (schematic designator FB18)
FB18C "742792731" FB_Wurth_Electronics_742792731_100Ohms 2428.84,1664.01 r90 bottom (schematic designator FB18)
FB18D "742792731" FB_Wurth_Electronics_742792731_100Ohms 2864.32,1660.34 r0 bottom (schematic designator FB18)
FB18E "742792731" FB_Wurth_Electronics_742792731_100Ohms 3362.41,1645.23 r0 bottom (schematic designator FB18)
FB18F "742792731" FB_Wurth_Electronics_742792731_100Ohms 3896.91,1669.98 r0 bottom (schematic designator FB18)
FB18G "742792731" FB_Wurth_Electronics_742792731_100Ohms 4392.56,1647.88 r0 bottom (schematic designator FB18)
FB18H "742792731" FB_Wurth_Electronics_742792731_100Ohms 4906.19,1651.14 r0 bottom (schematic designator FB18)
FB19A "742792731" FB_Wurth_Electronics_742792731_100Ohms 1679.76,1807.77 r270 bottom (schematic designator FB19)
FB19B "742792731" FB_Wurth_Electronics_742792731_100Ohms 2177.3,1846.81 r270 bottom (schematic designator FB19)
FB19C "742792731" FB_Wurth_Electronics_742792731_100Ohms 2691.97,1833.84 r270 bottom (schematic designator FB19)
FB19D "742792731" FB_Wurth_Electronics_742792731_100Ohms 3209.84,1805.05 r270 bottom (schematic designator FB19)
FB19E "742792731" FB_Wurth_Electronics_742792731_100Ohms 3718.04,1803.9 r270 bottom (schematic designator FB19)
FB19F "742792731" FB_Wurth_Electronics_742792731_100Ohms 4231.12,1792.66 r270 bottom (schematic designator FB19)
FB19G "742792731" FB_Wurth_Electronics_742792731_100Ohms 4718.54,1841.56 r270 bottom (schematic designator FB19)
FB19H "742792731" FB_Wurth_Electronics_742792731_100Ohms 5258.71,1798.46 r270 bottom (schematic designator FB19)
FB20 "742792731" FB_Wurth_Electronics_742792731_100Ohms 4064.32,2722.4 r0 bottom
FB21 "742792731" FB_Wurth_Electronics_742792731_100Ohms 4258.72,2728.44 r0 bottom
FB22 "742792731" FB_Wurth_Electronics_742792731_100Ohms 10101.51,2633.91 r0 bottom
FB23 "742792731" FB_Wurth_Electronics_742792731_100Ohms 10037.43,4901.06 r0 bottom
FB24 "742792731" FB_Wurth_Electronics_742792731_100Ohms 9801.5,4800.58 r180 bottom
FB25 "742792731" FB_Wurth_Electronics_742792731_100Ohms 8143.97,7173.54 r180 top
FB26 "742792731" FB_Wurth_Electronics_742792731_100Ohms 7569.19,6983.26 r0 top
FB27 "742792731" FB_Wurth_Electronics_742792731_100Ohms 4990.76,6235.27 r0 top
FB28 "742792731" FB_Wurth_Electronics_742792731_100Ohms 483.8,2627.26 r90 top
FB29 "742792731" FB_Wurth_Electronics_742792731_100Ohms 10379.25,2396.81 r270 top
FB30 "742792731" FB_Wurth_Electronics_742792731_100Ohms 11220.56,2431.6 r270 top
FB31 "742792731" FB_Wurth_Electronics_742792731_100Ohms 10529.88,2396.81 r270 top
FB32 "742792731" FB_Wurth_Electronics_742792731_100Ohms 11359.57,2432.96 r270 top
FB33 "742792731" FB_Wurth_Electronics_742792731_100Ohms 433.89,2317.29 r0 bottom
FB34 "742792731" FB_Wurth_Electronics_742792731_100Ohms 147.45,2320.18 r180 bottom
FB35 "742792731" FB_Wurth_Electronics_742792731_100Ohms 4510.85,3514.85 r270 top
J1 "RJ45_TE_Connectivity_5406299-1" RJ45_TE_Connectivity_5406299-1 11662.2,5892.36 r90 top
J2 "Header_TE_Connectivity_1586041-8_8POS" Header_TE_Connectivity_1586041-8_8POS 11793.22,4123.95 r90 top